# Altium PCB PCB.PcbDoc (part 4 of 4)
Units mm, origin at the board's own origin, x right, y up, seen from the top; angles counter-clockwise.
Board outline 90.6 x 67.8 mm, 6 copper layers (Component Side, GND, Inner Layer 1, V+, V-, Bottom Side), stack 1.613 mm thick; 407 components, 232 nets, 1320 pads, 392 vias.
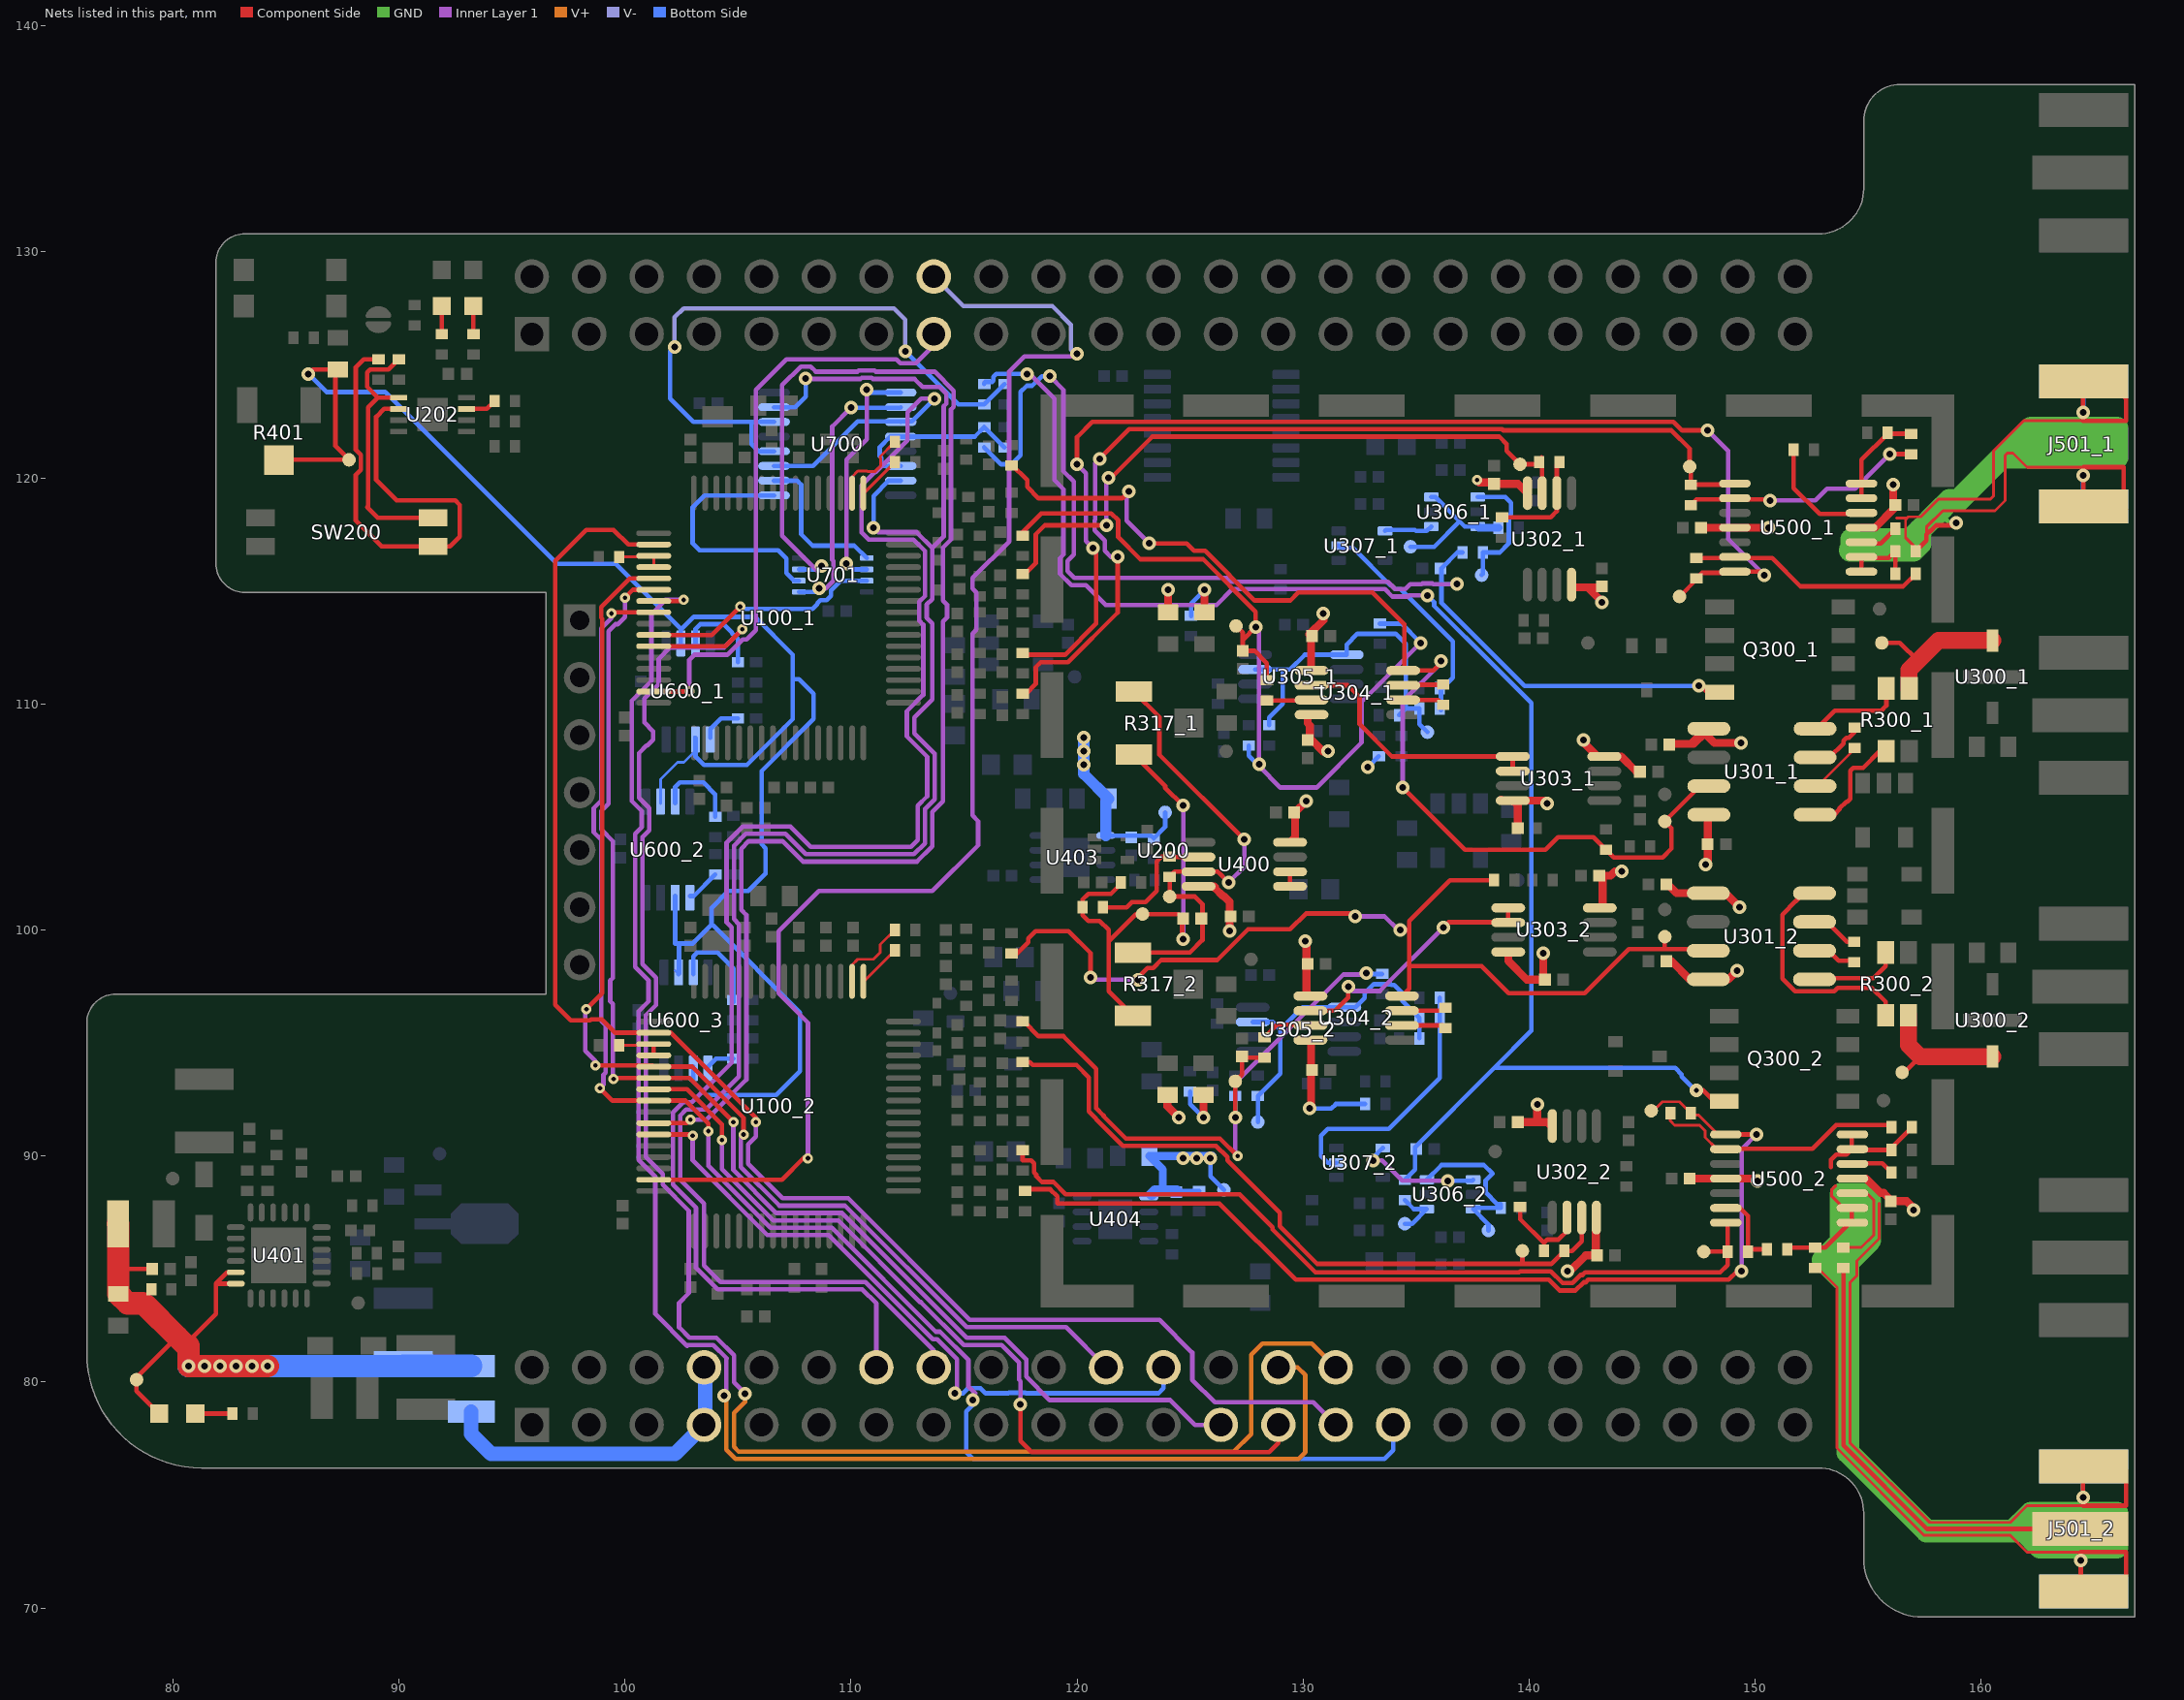
[diagram p8: the nets of this part, all layers, seen from the top]

## Via types
v1: diameter 0.6, hole 0.3, Component Side to Bottom Side, tented both sides, 306 vias
v2: diameter 0.45, hole 0.2, Component Side to Bottom Side, tented both sides, 85 vias
v3: diameter 0.6, hole 0.2, Component Side to Bottom Side, tented both sides, 1 vias

## Nets (pads, with @x,y where several pads share a name; then routed paths per layer and width w, separated by ;. In a path a pad name is that pad's centre, name@x,y a point inside that pad or via, vN(x,y) a via of type N, cw(c..) or ccw(c..) an arc to the next point about the centre after c; other vN are vias at no path point) (continued)
NetJ501_1_2: J501_1.2 J501_1.3 J501_1.4 J501_1.5 R501_1.2 | length 71.9
  Component Side w0.125: 156.25,118.225 156.725,118.225 ; R501_1.2@157.1,116.75 157.1,116.9 156.65,117.35 156.65,118.15 156.725,118.225 ; 157.575,117.493 157.575,117.821 158.304,118.55 160.604,118.55 161.05,118.996 161.05,120.996 161.154,121.1 161.4,121.1 162.025,120.475 164.525,120.475 ; 164.5,122.525 161.871,122.525 160.55,121.204 160.55,119.204 160.396,119.05 158.096,119.05 157.321,118.275 156.775,118.275 156.725,118.225
  Component Side w0.2: R501_1.2@157.1,116.75 157.575,117.225 157.575,117.493 157.722,117.64 157.741,117.64 158.001,117.9 158.8,117.9 v1(158.9,118) ; J501_1.5@164.5,124.245 v1(164.5,122.9) 164.5,122.525 166.4,122.525 166.4,123.5 J501_1.5@165.63,124.27 ; J501_1.2@164.525,118.73 164.525,120.475 166.3,120.475 166.3,118.7 J501_1.2@166.4,118.6
  GND w0.2: 158.1,118.5 158.6,118 v1(158.9,118) ; v1(164.5,120.1) 164.5,120.9 164.5,121.7 164.5,122.2 v1(164.5,122.9)
  GND w1: 166,121.7 164.5,121.7 161.7,121.7 ; 157.3,117.7 158.1,118.5 158.6,119 159,119 160.9,120.9 ; 157.3,117.7 156.875,117.275 154.275,117.275 154.275,116.875 154.2,116.8 157,116.8 157.3,117.1 157.3,117.7 ; 160.9,120.9 164.5,120.9 166,120.9 166,122.2 164.5,122.2 162.2,122.2 161.7,121.7 ; 160.9,120.9 161.7,121.7
  Bottom Side w0.2: v1(164.5,120.1) 164.5,118.755 J501_1.3@164.525,118.73 ; v1(164.5,122.9) 164.525,122.925 J501_1.4@164.525,124.27
NetJ501_2_1: J501_2.1 R503_2.2 | length 19.9
  Component Side w0.2: R503_2.2@153.9,85.05 153.9,77.2 157.6,73.5 J501_2.1@164.375,73.5
NetJ501_2_2: J501_2.2 J501_2.3 J501_2.4 J501_2.5 R501_2.2 | length 104.6
  Component Side w0.125: R501_2.2@152.65,85.05 152.762,85.05 153.612,84.2 153.612,77.081 157.481,73.212 161.288,73.212 162.025,72.475 164.4,72.475 ; 155.488,87.909 155.488,86.338 154.5,85.35 154.5,84.7 154.188,84.388 154.188,77.319 157.719,73.788 161.288,73.788 162.025,74.525 164.5,74.525
  Component Side w0.2: J501_2.5@164.5,76.245 v1(164.5,74.9) 164.5,74.525 166.4,74.525 J501_2.5@166.4,76.1 ; J501_2.2@164.525,70.73 164.4,70.855 v1(164.4,72.1) 164.4,72.475 166.4,72.475 J501_2.2@166.4,71.4
  GND w0.2: v1(164.4,72.1) 164.4,72.7 164.4,73.4 ; 164.5,74.2 v1(164.5,74.9)
  GND w1: 153,85.4 153.8,86.2 153.8,88.3 154.8,88.3 ; 153,85.4 154.1,84.3 ; 153,85.4 154.2,85.4 ; 154.1,84.3 154.1,85.3 154.2,85.4 ; 154.1,84.3 154.1,76.9 157.6,73.4 161.4,73.4 ; 154.2,85.4 154.8,86 ; 154.8,86 154.8,88.3 ; 154.8,86 155.075,86.275 155.075,88.025 154.8,88.3 ; 161.4,73.4 162.2,74.2 164.5,74.2 166,74.2 166,73.4 ; 161.4,73.4 161.9,73.4 ; 161.9,73.4 164.4,73.4 166,73.4 ; 161.9,73.4 162.6,72.7 164.4,72.7 166,72.7 166,73.4
  Bottom Side w0.2: v1(164.4,72.1) 164.4,70.855 J501_2.3@164.525,70.73 ; v1(164.5,74.9) 164.5,76.245 J501_2.4@164.525,76.27
NetLED200_1: LED200.1 R206.2 | length 1.4
  Component Side w0.2: LED200.1@81,78.6 82.4,78.6
NetLED201_1: LED201.1 R207.2 | length 1.2
  Component Side w0.2: R207.2@91.9,126.35 LED201.1@91.9,127.6
NetLED202_1: LED202.1 R208.2 | length 1.2
  Component Side w0.2: R208.2@93.3,126.35 LED202.1@93.3,127.6
NetR100_1_2: R100_1.2 R303_1.2 TP303_1.1 U301_1.7 U304_1.4 | length 49.9
  Component Side w0.2: R100_1.2@117.1,120.6 117.8,119.9 117.8,119.6 118.3,119.1 122,119.1 v1(122.3,119.4) v1@122.275,119.375 ; v1(123.2,117.1) 124.858,117.1 125.183,116.775 125.665,116.775 127.865,114.575 129.433,114.575 129.783,114.925 133.075,114.925 134.475,113.525 134.475,111.475 135.775,111.475 136.1,111.8 v1(136.1,111.9) ; v1(134.405,106.305) 137.159,103.55 140.723,103.55 141.273,104.1 142.85,104.1 R303_1.2@143.4,103.55 143.75,103.2 145.9,103.2 146.3,103.6 146.3,104.5 TP303_1.1@146,104.8 147.565,106.365 U301_1.7@147.95,106.365
  Inner Layer 1 w0.2: v1(122.3,119.4) 122.2,119.3 122.2,118.1 v1(123.2,117.1) ; v1(134.405,106.305) 134.405,110.105 136.1,111.8 v1(136.1,111.9)
NetR100_2_2: R100_2.2 R303_2.2 TP303_2.1 U301_2.7 U304_2.4 | length 44.5
  Component Side w0.2: R100_2.2@117.1,98.95 117.35,98.95 117.85,99.45 117.85,99.628 118.172,99.95 119.628,99.95 120.6,98.978 v1(120.6,97.9) ; v1@122.6,97.8 123.12,98.32 123.373,98.32 123.723,98.67 126.212,98.67 127.567,100.025 129.423,100.025 130.123,100.725 132.175,100.725 v1(132.3,100.6) ; v1@122.6,97.8 v1(122.7,97.8) ; v1(134.3,100) 134.6,100 134.7,99.9 ; U304_2.4@134.375,97.075 134.7,97.4 134.7,98.4 ; R303_2.2@138.45,102.2 136.5,102.2 134.7,100.4 134.7,99.9 ; TP303_2.1@146,99.7 146,99.153 ; U301_2.7@147.925,99.083 147.925,99.153 146,99.153 ; 134.7,98.4 137.9,98.4 139.1,97.2 142.461,97.2 144.414,99.153 146,99.153 ; 134.7,98.4 134.7,99.9
  Inner Layer 1 w0.2: v1(120.6,97.9) 120.7,97.8 v1(122.7,97.8) ; v1(132.3,100.6) 133.6,100.6 134.2,100 v1(134.3,100)
NetR103_1_2: R103_1.2 R306_1.1 TP305_1.1 U302_1.7 | length 29.5
  Component Side w0.2: R103_1.2@117.6,115.75 117.7,115.75 118.175,116.225 118.175,117.493 118.582,117.9 v1(121.3,117.9) ; v1(121.4,120) 121.5,120 123.325,121.825 138.675,121.825 139,121.5 139,121.2 TP305_1.1@139.6,120.6 140.35,120.6 R306_1.1@140.45,120.7 140.575,120.575 U302_1.7@140.575,119.325 ; R306_1.1@140.55,120.9 R306_1.1@140.575,120.875
  Inner Layer 1 w0.2: v1(121.3,117.9) 121.3,119.9 v1(121.4,120)
NetR103_2_2: R103_2.2 R306_2.1 TP305_2.1 U302_2.7 | length 31.6
  Component Side w0.2: R103_2.2@117.7,94.15 117.913,94.15 118.038,94.025 119.977,94.025 120.525,93.477 120.525,91.977 120.85,91.652 120.85,91.631 122.031,90.45 126.15,90.45 126.65,89.95 126.65,89.814 128.975,87.489 128.975,86.883 130.633,85.225 139.7,85.225 ; TP305_2.1@139.7,85.7 139.7,85.225 ; U302_2.7@142.325,87.275 142.325,86.225 141.9,85.8 R306_2.1@141.55,85.8 140.975,85.225 139.7,85.225
NetR105_1_2: R105_1.2 R507_1.2 TP500_1.1 U500_1.14 | length 52.5
  Component Side w0.2: R105_1.2@117.6,112.25 117.675,112.175 119.475,112.175 120.85,113.55 120.85,116.75 v1(120.7,116.9) ; v1(120,120.6) 120,121.8 120.675,122.475 146.385,122.475 146.76,122.1 v1(147.9,122.1) ; TP500_1.1@146.65,114.75 147.4,115.5 R507_1.2@147.4,115.55 147.65,115.8 U500_1.14@149.1,115.8 ; U500_1.14@149.1,115.85 150.25,115.85 v1(150.4,115.7)
  Inner Layer 1 w0.2: v1(120,120.6) 120.4,120.2 120.4,117.2 v1(120.7,116.9) ; v1(147.9,122.1) 148.8,121.2 148.8,117.3 v1(150.4,115.7)
NetR105_2_2: R105_2.2 R507_2.2 TP500_2.1 U500_2.14 | length 37.5
  Component Side w0.2: R105_2.2@117.6,90.25 117.6,89.8 117.968,89.8 118.1,89.668 118.1,89.268 118.2,89.168 118.2,89.1 118.45,88.85 118.952,88.85 119.502,88.3 127.2,88.3 128.65,86.85 128.65,86.748 130.548,84.85 139.55,84.85 139.6,84.9 140.957,84.9 141.482,84.375 141.917,84.375 142.277,84.735 142.357,84.735 142.472,84.85 148.45,84.85 148.775,85.175 R507_2.2@148.775,85.768 ; TP500_2.1@147.725,85.768 R507_2.2@148.775,85.768 ; U500_2.14@148.7,87.05 148.775,86.975 R507_2.2@148.775,85.768
NetR106_1_2: R106_1.2 R506_1.2 TP501_1.1 U500_1.8 | length 44.2
  Component Side w0.2: R106_1.2@117.6,110.45 117.75,110.45 118.175,110.875 118.175,111.618 118.407,111.85 119.61,111.85 121.8,114.04 v1(121.8,116.5) ; v1(121,120.842) 122.308,122.15 138.81,122.15 138.86,122.1 146.3,122.1 147.1,121.3 TP501_1.1@147.1,120.5 147.15,120.45 R506_1.2@147.15,119.7 U500_1.8@149.1,119.7
  Inner Layer 1 w0.2: v1(121,120.842) 120.8,120.642 120.8,118.142 120.775,118.117 120.775,117.682 121.225,117.232 121.225,116.775 121.5,116.5 v1(121.8,116.5)
NetR106_2_2: R106_2.2 R506_2.2 TP501_2.1 U500_2.8 | length 45.7
  Component Side w0.125: TP501_2.1@145.4,92.1 145.6,92.1 145.9,92.4 146.65,92.4 R506_2.2@147.15,91.9 ; R506_2.2@147.15,91.8 147.5,91.8 148.332,90.968 U500_2.8@148.675,90.968
  Component Side w0.2: R106_2.2@117.7,88.45 117.775,88.525 118.817,88.525 119.125,88.217 119.125,87.917 119.142,87.9 126.3,87.9 129.675,84.525 140.872,84.525 141.348,84.05 142.052,84.05 142.412,84.41 142.492,84.41 142.607,84.525 148.825,84.525 149.2,84.9 v1(149.4,84.9) ; U500_2.8@148.7,90.95 v1(150.05,90.95)
  Inner Layer 1 w0.2: v1(149.4,84.9) 149.4,90.3 v1(150.05,90.95)
NetR114_1_2: R114_1.2 U100_1.17 | length 2
  Component Side w0.125: U100_1.17@110.55,119.325 110.575,119.325 R114_1.2@111.95,120.7
NetR114_2_2: R114_2.2 U100_2.17 | length 2
  Component Side w0.125: U100_2.17@110.55,97.725 110.575,97.725 R114_2.2@111.95,99.1
NetR115_1_2: R115_1.2 U100_1.18 | length 3.5
  Component Side w0.125: U100_1.18@110.05,119.325 110.05,120.05 110.3,120.3 110.717,120.3 110.729,120.287 111.071,120.287 111.313,120.529 111.313,120.871 111.3,120.883 111.3,120.95 R115_1.2@111.95,121.6
NetR115_2_2: R115_2.2 U100_2.18 | length 3.5
  Component Side w0.125: U100_2.18@110.05,97.725 110.05,98.45 110.3,98.7 111,98.7 111.3,99 111.3,99.35 R115_2.2@111.95,100
NetR116_1_2: R116_1.2 U100_1.35 U100_1.36 | length 2
  Component Side w0.125: R116_1.2@99.75,116.5 U100_1.35@101.225,116.5 ; U100_1.36@101.275,116.05 101.275,116.45 U100_1.35@101.225,116.5 ; U100_1.35@101.275,116.55 U100_1.35@101.225,116.5
NetR116_2_2: R116_2.2 U100_2.35 U100_2.36 | length 2
  Component Side w0.125: R116_2.2@99.75,94.9 U100_2.35@101.225,94.9
  Component Side w0.2: U100_2.36@101.275,94.45 U100_2.35@101.275,94.95
NetR203_1: R203.1 SW200.4 U202.1 | length 12
  Component Side w0.2: U202.1@90,123.55 89.082,123.55 ; R203.1@90,125.25 89.55,124.8 88.732,124.8 88.6,124.668 88.6,124.032 89.082,123.55 ; SW200.4@91.51,118.235 89.065,118.235 88.6,118.7 88.65,118.75 88.65,123.118 89.082,123.55
NetR204_1: R204.1 SW200.3 U202.2 | length 22.9
  Component Side w0.2: R204.1@89.1,125.25 88.45,125.25 88.1,124.9 88.1,121.242 88.325,121.017 88.325,120.358 88.1,120.133 88.1,118.1 89.235,116.965 SW200.3@91.51,116.965 92.265,116.965 92.7,117.4 92.7,118.8 92.5,119 89.9,119 89,119.9 89,122.7 89.35,123.05 U202.2@90,123.05
NetR205_1: R205.1 U202.7 | length 1.4
  Component Side w0.2: U202.7@93,123.05 93.9,123.05 R205.1@94.25,123.4
NetR300_1_1: R300_1.1 U301_1.1 | length 5.1
  Component Side w0.2: U301_1.1@152.65,105.095 153.495,105.095 153.722,105.322 153.722,105.367 154.03,105.675 154.075,105.675 154.2,105.8 154.2,107.043 154.332,107.175 154.775,107.175 155.511,107.911 R300_1.1@155.792,107.911
NetR300_1_2: R300_1.2 U301_1.4 | length 4.2
  Component Side w0.2: U301_1.4@152.65,108.905 152.732,108.905 153.527,109.7 155.578,109.7 155.802,109.924 R300_1.2@155.802,110.521
NetR300_1_4: R300_1.4 TP300_1.1 U300_1.3 | length 7
  Component Side w0.2: TP300_1.1@155.6,112.7 156.4,112.7 157.2,111.9
  Component Side w0.75: R300_1.4@156.808,110.689 156.808,111.508 157.2,111.9 158.1,112.8 U300_1.3@160.5,112.8
NetR300_2_1: R300_2.1 U301_2.1 | length 4
  Component Side w0.2: U301_2.1@152.575,97.868 155.225,97.868 155.767,98.41 R300_2.1@155.767,99.007
NetR300_2_2: R300_2.2 U301_2.4 | length 10.5
  Component Side w0.2: U301_2.4@152.625,101.623 152.275,101.623 152.27,101.618 151.88,101.618 151.88,101.351 151.817,101.288 151.814,101.288 151.2,100.674 151.2,97.846 151.758,97.288 153.493,97.288 153.648,97.443 155.15,97.443 155.767,96.826 R300_2.2@155.767,96.229
NetR300_2_4: R300_2.4 TP300_2.1 U300_2.3 | length 6.3
  Component Side w0.2: TP300_2.1@156.5,93.7 156.6,93.7 157.3,94.4
  Component Side w0.75: R300_2.4@156.783,96.229 156.783,94.917 157.3,94.4 U300_2.3@160.5,94.4
NetR301_1_1: R301_1.1 U301_1.3 | length 2.3
  Component Side w0.2: U301_1.3@152.65,107.635 153.285,107.635 153.9,108.25 153.9,108.368 154.032,108.5 154.15,108.5 R301_1.1@154.4,108.75
NetR301_1_2: R301_1.2 U301_1.2 | length 2.6
  Component Side w0.125: U301_1.2@152.765,106.365 153.662,107.262 153.662,107.266 154.109,107.713 154.113,107.713 154.4,108 R301_1.2@154.4,108.05
  Component Side w0.2: U301_1.2@152.65,106.365 152.765,106.365 U301_1.2@152.865,106.365
NetR301_2_1: R301_2.1 U301_2.3 | length 2.1
  Component Side w0.2: U301_2.3@152.625,100.353 153.172,100.353 154.057,99.468 R301_2.1@154.375,99.468
NetR301_2_2: R301_2.2 U301_2.2 | length 1.7
  Component Side w0.2: U301_2.2@152.879,99.079 153.246,99.079 153.687,98.638 154.375,98.638 R301_2.2@154.375,98.568
NetR305_1_1: R305_1.1 R306_1.2 U302_1.6 | length 4.8
  Component Side w0.2: R305_1.1@138.8,118.25 140.95,118.25 141.225,118.525 U302_1.6@141.225,119.325 141.225,120.575 R306_1.2@141.35,120.7
NetR305_2_1: R305_2.1 R306_2.2 U302_2.6 | length 3.9
  Component Side w0.2: R305_2.1@139.6,87.75 139.6,87.2 140.65,86.15 140.8,86.3 141.3,86.3 141.675,86.675 U302_2.6@141.675,87.275
NetR307_1_1: R307_1.1 U304_1.3 | length 1.7
  Component Side w0.2: U304_1.3@134.475,110.825 134.5,110.85 R307_1.1@136.2,110.85
NetR307_1_2: R307_1.2 U304_1.2 | length 1.8
  Component Side w0.2: U304_1.2@134.475,110.175 135.975,110.175 R307_1.2@136.2,109.95
NetR307_2_1: R307_2.1 U304_2.3 | length 2
  Component Side w0.2: U304_2.3@134.375,96.425 136.175,96.425 R307_2.1@136.3,96.55
NetR307_2_2: R307_2.2 U304_2.2 | length 2
  Component Side w0.2: U304_2.2@134.375,95.775 136.175,95.775 R307_2.2@136.3,95.65
NetR308_1_1: R308_1.1 U304_1.7 | length 1.9
  Component Side w0.2: R308_1.1@128.4,110.15 130.3,110.15 U304_1.7@130.325,110.175
NetR308_2_1: R308_2.1 U304_2.7 | length 1.9
  Component Side w0.2: R308_2.1@128.3,95.25 128.85,95.8 U304_2.7@130,95.8
NetR315_1_2: R315_1.2 R316_1.2 R319_1.1 TP307_1.1 U305_1.1 U305_1.7 | length 15.6
  Bottom Side w0.2: U305_1.7@127.875,111.525 129.1,111.525 ; R316_1.2@128.5,109.05 128.5,109.4 129.1,110 129.1,111.525 ; R315_1.2@134.25,109.5 134.55,109.8 ; TP307_1.1@135.5,108.75 135.15,109.1 R319_1.1@135.15,109.8 134.55,109.8 ; 129.1,111.525 129.425,111.525 130.075,112.175 U305_1.1@131.925,112.175 131.925,112.625 132.4,113.1 134.1,113.1 134.55,112.65 134.55,109.8
NetR315_2_2: R315_2.2 R316_2.2 R319_2.1 TP307_2.1 U305_2.1 U305_2.7 | length 14.7
  Bottom Side w0.2: U305_2.7@127.775,95.925 128.675,95.925 129,95.6 ; TP307_2.1@128,91.5 R316_2.2@128,92.65 129,93.65 129,95.6 ; R315_2.2@135.15,95.2 R319_2.1@135.15,96.1 134.4,96.85 134.4,97.2 134.037,97.563 133.906,97.563 133.868,97.6 133.132,97.6 132.725,97.193 132.725,96.982 132.317,96.575 U305_2.1@131.825,96.575 129.975,96.575 129,95.6
NetR318_1_1: R318_1.1 R319_1.2 U307_1.2 | length 10
  Bottom Side w0.2: U307_1.2@131.575,117 131.675,116.9 132.2,116.9 133.85,115.25 133.908,115.25 134.083,115.075 134.309,115.075 136.625,112.759 136.625,111.159 136.1,110.634 R319_1.2@136.1,109.734
NetR318_2_1: R318_2.1 R319_2.2 U307_2.2 | length 11.6
  Bottom Side w0.2: U307_2.2@131.475,89.7 131.1,89.7 130.8,90 130.8,90.9 131.1,91.2 133.8,91.2 136.05,93.45 R319_2.2@136.05,96.1 R318_2.1@136.05,97
NetR321_1_2: R321_1.2 TP310_1.1 U306_1.4 | length 5.8
  Bottom Side w0.2: U306_1.4@137.725,119.15 138.95,119.15 139.2,118.9 139.2,118.4 139.1,118.3 139.1,117.1 138.7,116.7 R321_1.2@137.95,116.7 137.95,115.75 TP310_1.1@137.9,115.7
NetR321_2_2: R321_2.2 TP310_2.1 U306_2.4 | length 2.4
  Bottom Side w0.2: TP310_2.1@134.5,87 134.825,87 U306_2.4@135.475,87.65 134.9,87.65 R321_2.2@134.5,88.05
NetR322_1_2: R322_1.2 TP309_1.1 U306_1.3 U306_1.6 | length 6.3
  Bottom Side w0.2: TP309_1.1@134.75,116.95 135.8,116.95 136.912,118.062 136.938,118.062 ; U306_1.3@135.675,119.15 135.85,119.15 136.938,118.062 ; U306_1.6@137.725,117.85 137.15,117.85 136.938,118.062 ; R322_1.2@138.6,117.85 R322_1.2@138.65,117.8
  Bottom Side w0.35: U306_1.6@137.725,117.85 137.775,117.8 R322_1.2@138.65,117.8
NetR322_2_2: R322_2.2 TP309_2.1 U306_2.3 U306_2.6 | length 7.8
  Bottom Side w0.2: U306_2.6@135.475,88.95 136.125,89.6 138,89.6 138.375,89.225 138.375,89.217 138.075,88.917 138.075,88.383 138.583,87.875 138.75,87.875 R322_2.2@138.75,87.7 137.575,87.7 U306_2.3@137.525,87.65 138.2,86.975 TP309_2.1@138.2,86.7
NetR409_1: R409.1 R410.2 U400.6 | length 5.9
  Component Side w0.2: R409.1@121.15,101 122.2,101 122.425,101.225 123.025,101.225 123.525,101.725 123.525,103.025 123.75,103.25 R410.2@124.1,103.25 124.125,103.225 U400.6@125.375,103.225
NetR500_1_1: R500_1.1 R504_1.2 U500_1.6 U500_1.7 | length 4.4
  Component Side w0.2: U500_1.6@154.7,119.05 U500_1.6@154.7,119.1 U500_1.7@154.7,119.75 154.7,120.8 155.85,121.95 R504_1.2@156.9,121.95
NetR500_2_1: R500_2.1 R504_2.2 U500_2.6 U500_2.7 | length 5.3
  Component Side w0.2: 153.35,89.502 153.35,89.834 153.585,90.068 154.025,90.068 U500_2.6@154.275,90.318 ; U500_2.7@154.275,90.968 U500_2.6@154.275,90.318 ; R504_2.2@156.925,91.268 156.025,90.368 R500_2.1@156.025,90.268 154.325,90.268 U500_2.6@154.275,90.318
NetR501_1_1: R501_1.1 R505_1.2 U500_1.1 U500_1.2 | length 3.3
  Component Side w0.2: U500_1.1@154.7,115.8 U500_1.1@154.7,115.85 154.7,116.45 155.9,116.45 R501_1.1@156.2,116.75 R505_1.2@156.2,115.75
NetR501_2_1: R501_2.1 R505_2.2 U500_2.1 U500_2.2 | length 5.5
  Component Side w0.125: 153.56,88.691 153.388,88.518 153.388,88.218 153.906,87.7 U500_2.2@154.275,87.7
  Component Side w0.2: R505_2.2@151.507,85.95 R501_2.1@152.65,85.95 153.082,85.95 154.2,87.068 154.275,87.068 U500_2.2@154.275,87.7
NetR502_1_1: R502_1.1 U500_1.5 | length 5.2
  Component Side w0.2: R502_1.1@151.7,121.25 151.7,119.55 152.85,118.4 U500_1.5@154.7,118.4
NetR502_2_1: R502_2.1 U500_2.5 | length 1.9
  Component Side w0.2: U500_2.5@154.275,89.668 154.28,89.673 155.62,89.673 R502_2.1@156.025,89.268
NetR503_1_1: R503_1.1 U500_1.3 | length 1.8
  Component Side w0.2: U500_1.3@154.7,117.1 155.55,117.1 R503_1.1@156.2,117.75
NetR503_2_1: R503_2.1 U500_2.3 | length 4.2
  Component Side w0.125: R503_2.1@153.9,85.95 154.693,85.95 155.238,86.494 155.238,88.062 154.95,88.35 U500_2.3@154.3,88.35
NetR504_1_1: R504_1.1 R506_1.1 U500_1.9 | length 10.7
  Component Side w0.2: R506_1.1@147.15,118.8 147.4,119.05 150.6,119.05 v1(150.65,119) ; v1(155.95,121.05) R504_1.1@156.9,121.05
  Inner Layer 1 w0.2: v1(150.65,119) 152.658,119 153.183,119.525 154.425,119.525 v1(155.95,121.05)
NetR504_2_1: R504_2.1 R506_2.1 U500_2.9 | length 11.3
  Component Side w0.125: R506_2.1@146.25,91.9 146.25,91.55 146.437,91.363 147.537,91.363 147.788,91.112 147.788,90.818 148.288,90.318 U500_2.9@148.675,90.318
  Component Side w0.2: U500_2.9@148.675,90.318 152.525,90.318 153.575,91.368 156.025,91.368 R504_2.1@156.025,91.268
NetR505_1_1: R505_1.1 R507_1.1 U500_1.13 | length 10.4
  Component Side w0.2: R507_1.1@147.4,116.45 150.75,116.45 152,115.2 156.55,115.2 R505_1.1@157.1,115.75
NetR505_2_1: R505_2.1 R507_2.1 U500_2.13 | length 3.5
  Component Side w0.2: U500_2.13@148.675,87.718 149.307,87.718 149.675,87.35 R507_2.1@149.675,85.768 ; R507_2.1@149.775,85.868 R505_2.1@150.525,85.868
NetR601_1_1: R601_1.1 U600_1.7 | length 4
  Bottom Side w0.2: U600_1.7@103.129,112.6 103.129,113.329 103.325,113.525 104.375,113.525 104.75,113.15 104.75,113.114 105,112.864 R601_1.1@105,111.85
NetR601_2_1: R601_2.1 U600_2.7 | length 3.8
  Bottom Side w0.2: U600_2.7@102.229,105.6 102.229,106.329 102.425,106.525 103.475,106.525 104,106 R601_2.1@104,105
NetR601_3_1: R601_3.1 U600_3.7 | length 4.4
  Bottom Side w0.2: U600_3.7@103.029,98.05 103.029,98.836 103.193,99 104.1,99 104.8,98.3 R601_3.1@104.8,96.9 R601_3.1@104.8,96.8
NetR603_1_1: R603_1.1 U600_1.1 | length 1.8
  Bottom Side w0.2: U600_1.1@103.779,108.5 103.779,108.879 104.25,109.35 R603_1.1@105,109.35